# Altium PCB BuoyNode_PCB.PcbDoc
Units mm, origin at the board's own origin, x right, y up, seen from the top; angles counter-clockwise.
Board outline 136 x 134 mm, 2 copper layers (Top Layer, Bottom Layer), stack 1.671 mm thick; 22 components, 19 nets, 142 pads, 5 vias.
Unrouted connection lines stored in the file: 1.
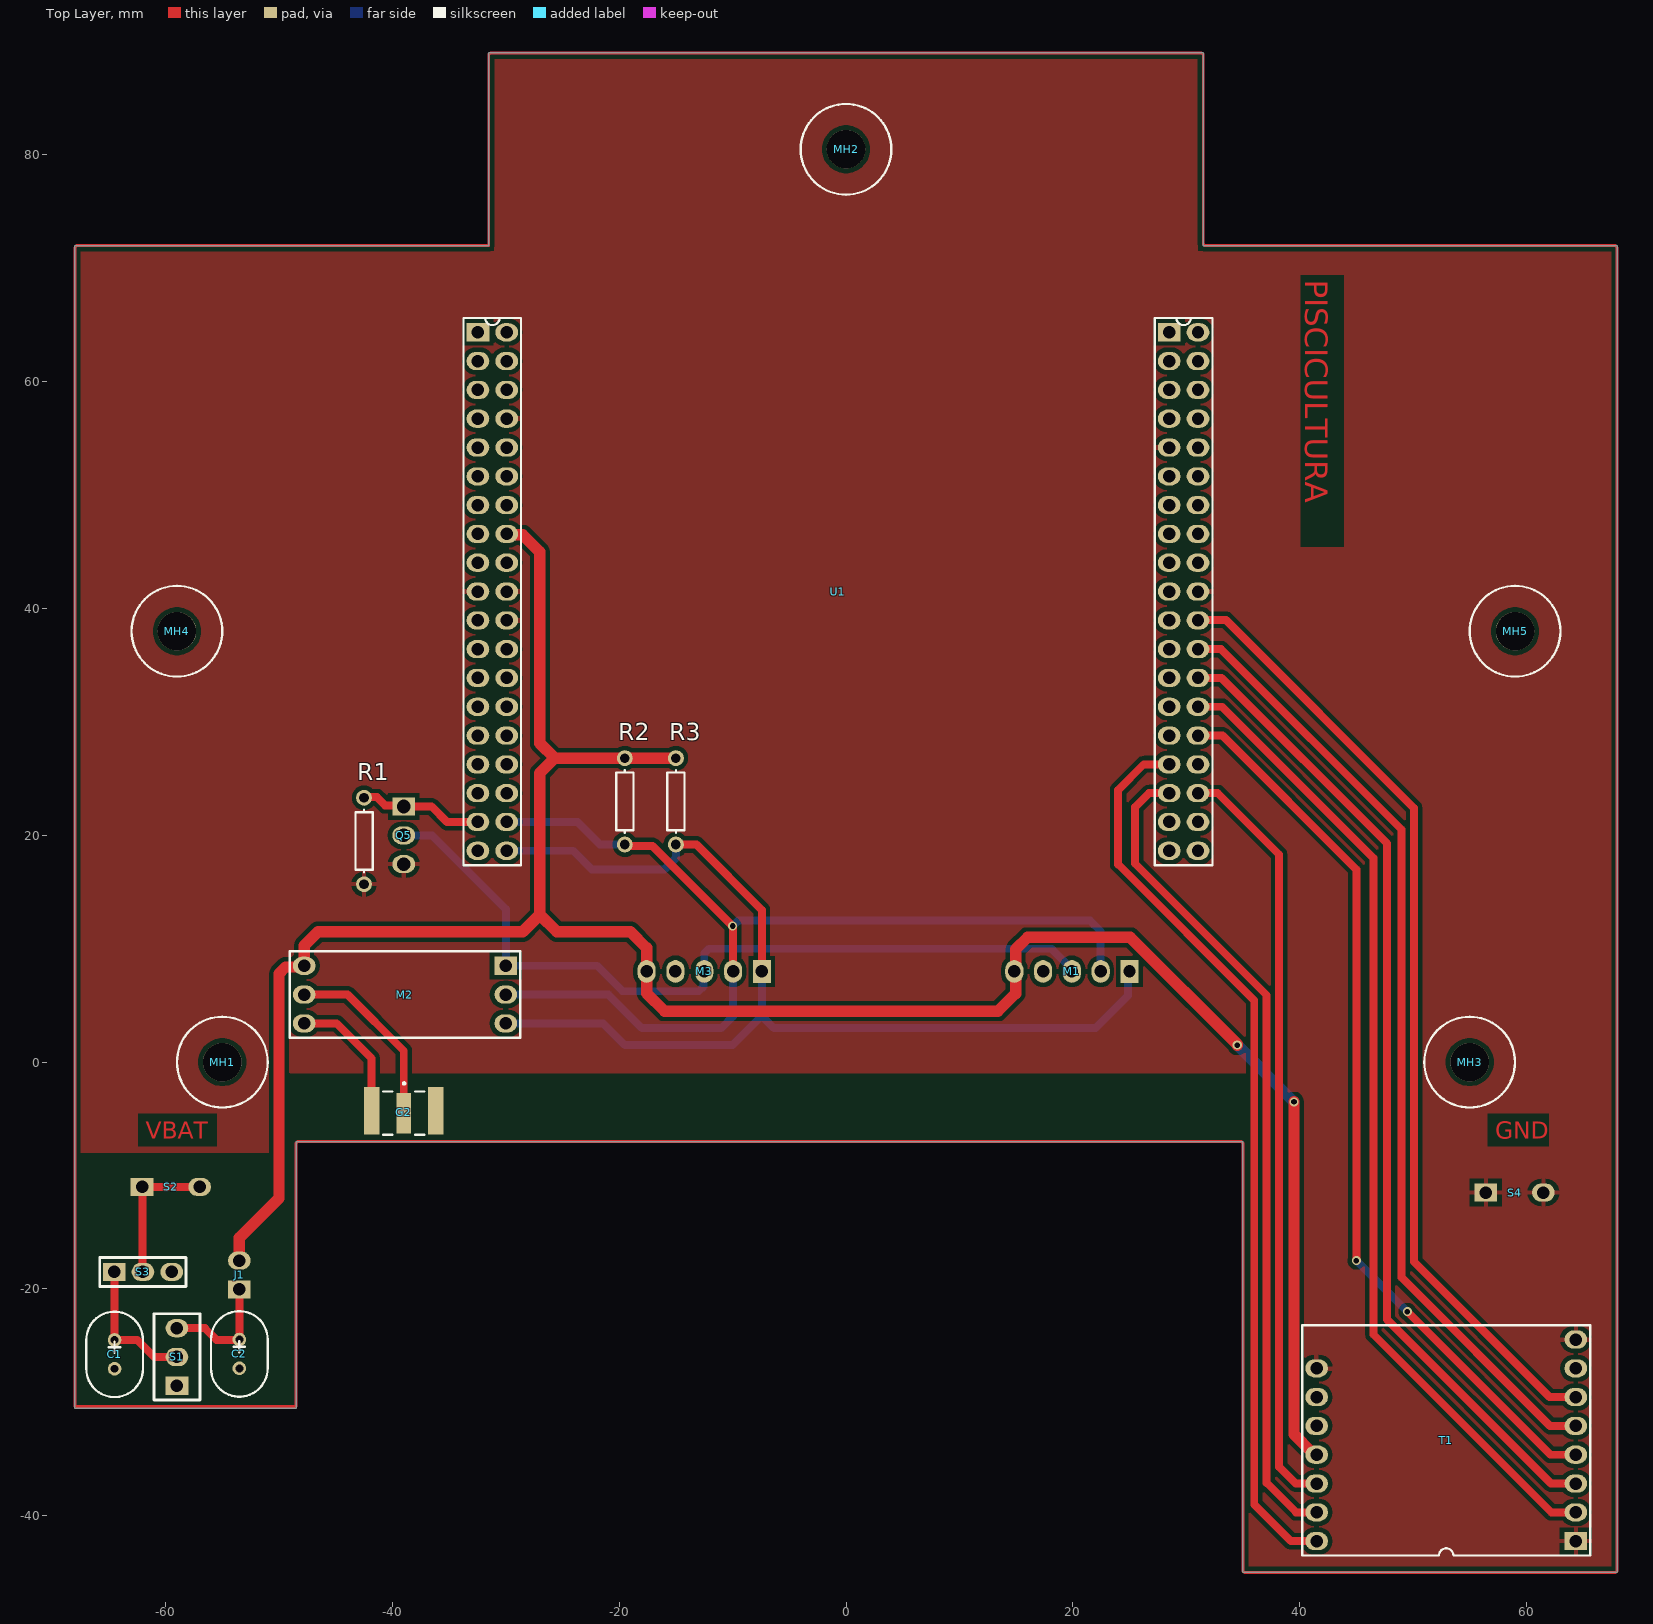
[diagram p0: Top Layer view]
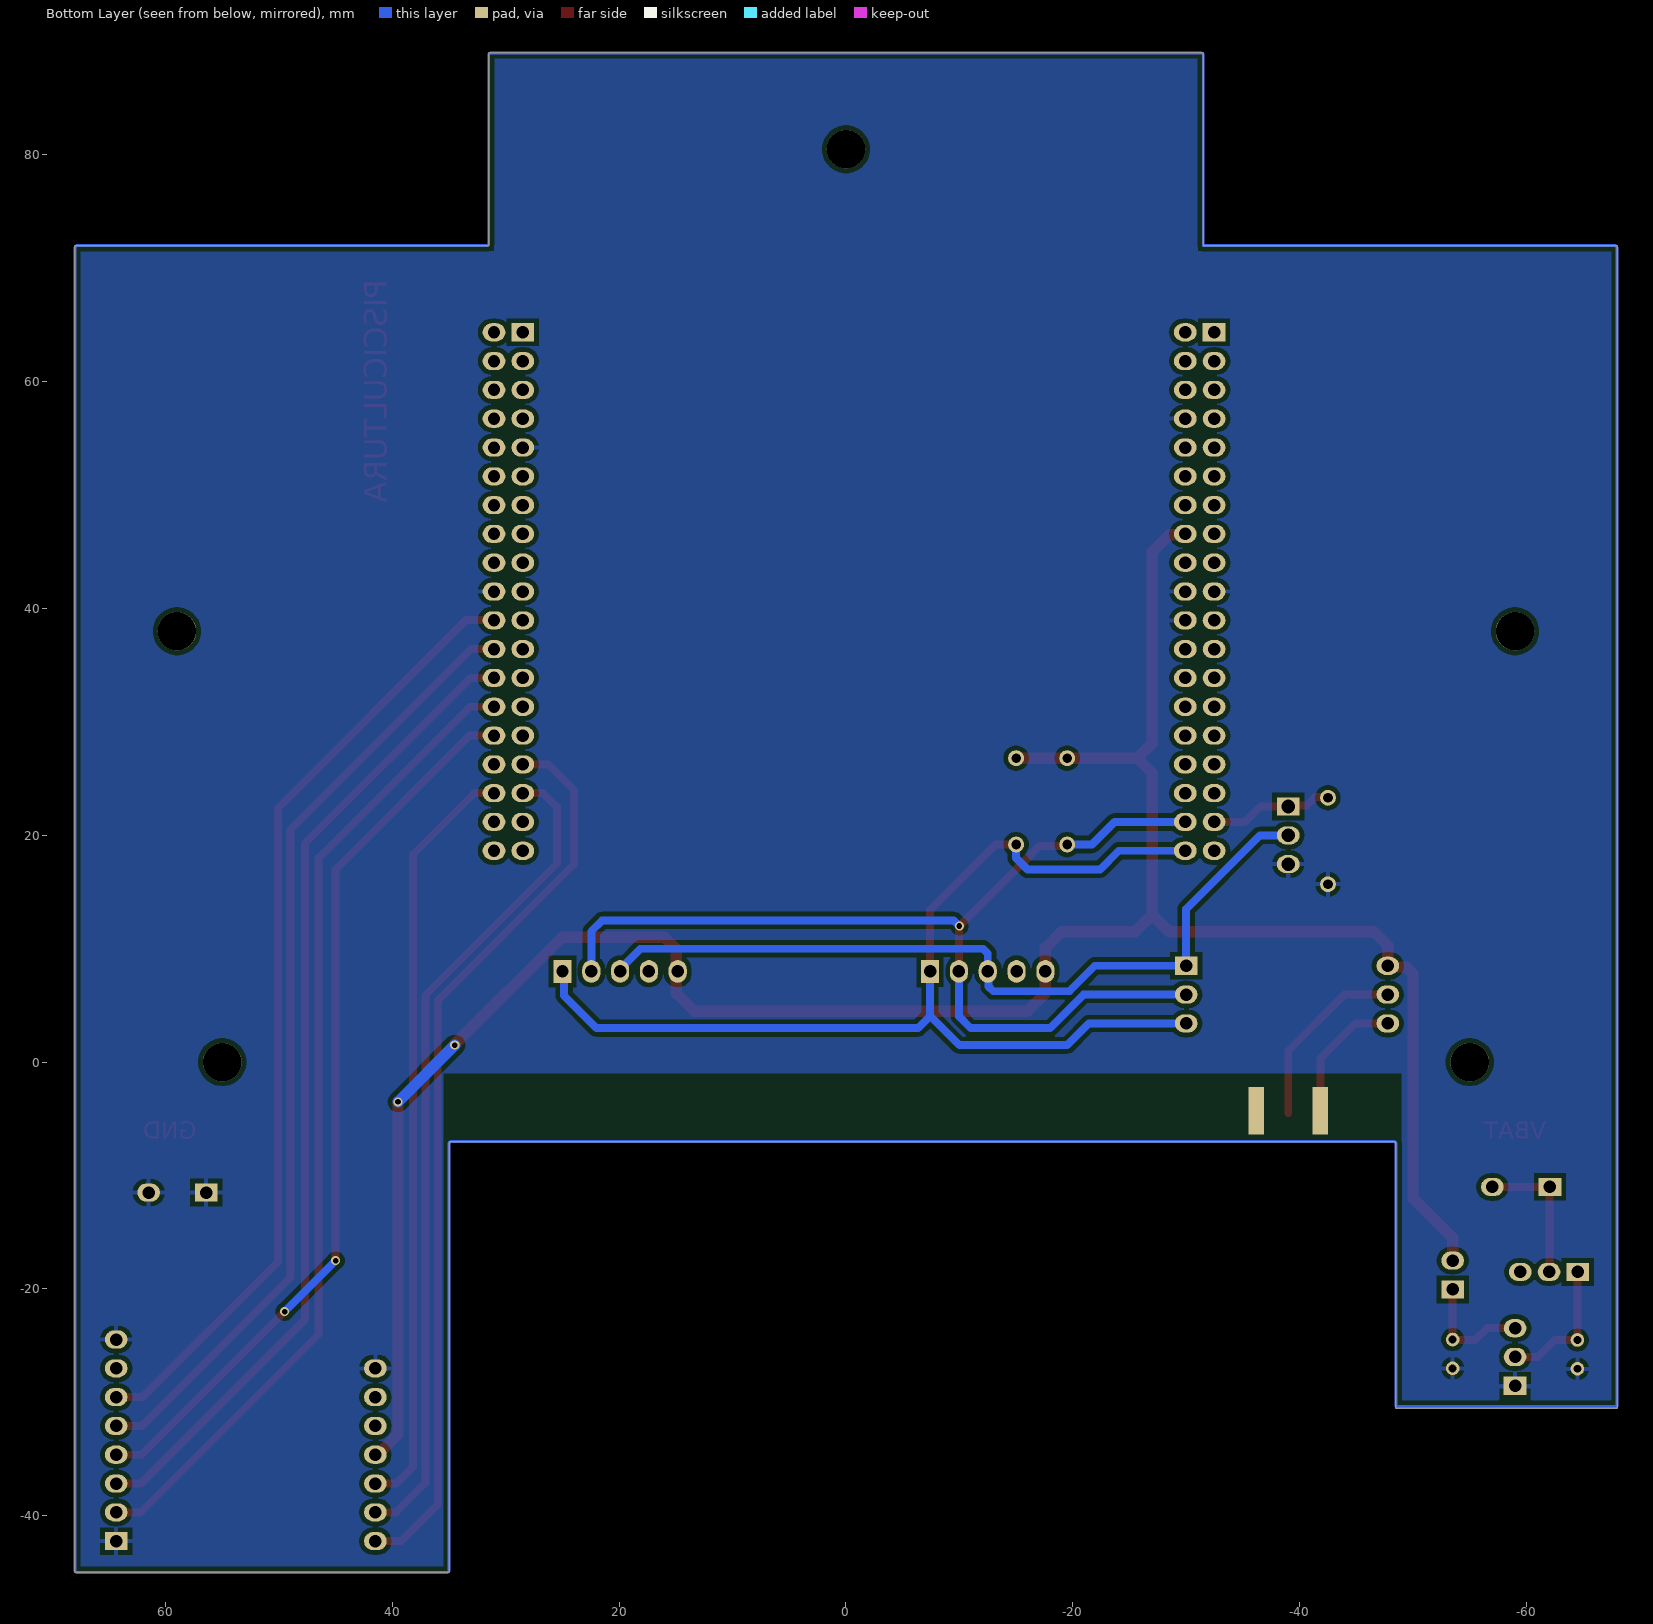
[diagram p1: Bottom Layer view, seen from below]

## Layer stack, top to bottom
Top Solder: solder mask 0.0102, Solder Resist, Dk 3.5
Top Layer: signal copper 0.0356
Dielectric 1: dielectric 1.6, FR-4, Dk 4.8
Bottom Layer: signal copper 0.0356
Bottom Solder: solder mask 0.0102, Solder Resist, Dk 3.5

## Board outline
-68,72 -31.5,72 -31.5,89 31.5,89 31.5,72 68,72 68,-45 35,-45 35,-7 -48.5,-7 -48.5,-30.5 -68,-30.5

## Design rules (kind name [scope] priority, off if disabled: settings)
Clearance [All] p1: gap=0.4 ignorepadtopadclearanceinfootprint=FALSE
ComponentClearance [All] p1: gap=0.2 collisioncheckmode=3 verticalgap=0.2 showdistances=FALSE
Height [All] p1: minheight=0 maxheight=50 prefheight=12.7
HoleSize [All] p1: absolutevalues=TRUE maxlimit=10 minlimit=0.2 maxpercent=80.000 minpercent=20.000
HoleToHoleClearance [All] p1: gap=0.3 allowstackedmicrovias=TRUE
MinimumSolderMaskSliver [All] p1: minsoldermaskwidth=0.1
PlaneClearance [All] p1: clearance=1
PlaneConnect [All] p1: planeconnectstyle=Relief reliefexpansion=0.6 reliefentries=4 reliefconductorwidth=0.4 reliefairgap=0.4
PolygonConnect [All] p1: connectstyle=Relief reliefconductorwidth=0.4 reliefentries=4 polygonreliefangle="90 Angle" airgapwidth=0.4
RoutingVias [All] p1: holewidth=0.5 width=0.8 viastyle="Through Hole" minholewidth=0.5 minwidth=0.8 maxholewidth=0.5 maxwidth=0.8
SilkToSilkClearance [All] p1: silktosilkclearance=0.1
SilkToSolderMaskClearance [IsPad] p1: minsilkscreentomaskgap=0.1 clearancetoexposedcopper=TRUE
SolderMaskExpansion [All] p1: expansion=0.1 istentingtop=FALSE
UnRoutedNet [All] p1 off:
Width "Width Power" [InNet('+*') or InNet('GND')] p1: maxlimit=1 minlimit=0.8 preferedwidth=1
Width [All] p2: maxlimit=1 minlimit=0.3 preferedwidth=0.7
20 further rules are at their usual default settings.

## Components (designator, comment, footprint, x,y, rotation, side; value= is the part's Value field where it differs from the comment)
C1 "1uF" C1UFTANTALUM -64.5,-27.04 r90 top
C2 "1uF" C1UFTANTALUM -53.5,-27 r90 top
G2 "Female SMA Connector" SmaFemaleConnectorEdgeMount -39,-4.5 r0 top
J1 "2PinMaleJumper" 2MALEJUMPER -53.5,-20.04 r180 top
M1 "Isolated pH Sensor" ATLASISOLATEDPHSENSOR 25,8 r270 top
M2 "EZO™ RTD Temperature Circuit" AtlasTemperatureSensor -30,8.5 r180 top
M3 "Isolated DO Sensor" ATLASISOLATEDDOSENSOR -7.42,8 r270 top
MH1 "MountingHole_3.4mmHole" MOUNTINGHOLE -55,0 r0 top
MH2 "MountingHole_3.4mmHole" MOUNTINGHOLE 0,80.5 r0 top
MH3 "MountingHole_3.4mmHole" MOUNTINGHOLE 55,0 r0 top
MH4 "MountingHole_3.4mmHole" MOUNTINGHOLE -59,38 r0 top
MH5 "MountingHole_3.4mmHole" MOUNTINGHOLE 59,38 r0 top
Q5 "IRLZ44NPBF" IRLZ44N -39,22.54 r0 top
R1 "Res1" AXIAL-0.3 -42.5,19.5 r90 top value=20K
R2 "Res1" AXIAL-0.3 -19.5,23 r90 top value=5K
R3 "Res1" AXIAL-0.3 -15,23 r90 top value=5K
S1 "MCP1700-3302E/TO" MCP1700 -59,-28.54 r180 top
S2 "2PositionScrewTerminal" 2POSITIONSCREWTERMINAL -62.08,-11 r90 top
S3 "ToggleSwitch" TOGGLESWITCH -64.54,-18.5 r90 top
S4 "2PositionScrewTerminal" 2POSITIONSCREWTERMINAL 56.42,-11.5 r90 top
T1 "RFM95W" RFM95WBREAKOUT 64.36,-42.24 r180 top
U1 "NUCLEO-L476RG" NUCLEOL476RG -32.46,64.36 r0 top

## Footprints (in the part's own frame and the unit in brackets; to place one, negate y for a bottom-side part, rotate by r counter-clockwise, add the part's x,y. Pads: shape width x height; smd on the part's side, far side on the other; paste and mask are expansions set on the pad)
2MALEJUMPER [mm]
  rect 2x1.6 hole 1.1: 1(0,0)
  oval 2x1.6 hole 1.1: 2(0,-2.54)
  body extent -1,-3.17 1,0.76, height 4.67
2POSITIONSCREWTERMINAL [mm]
  rect 1.6x2 hole 1.1: 1(0,0)
  oval 1.6x2 hole 1.1: 2(0,-5.08)
  body extent -4.14,-8.1 4.06,2.56, height 11
ATLASISOLATEDDOSENSOR [mm]
  rect 2x1.6 hole 1.1: 1(0,0)
  oval 2x1.6 hole 1.1: 2(0,-2.54) 3(0,-5.08) 4(0,-7.62) 5(0,-10.16)
  body extent -5,-20.83 46.54,11.17, height 17.3
ATLASISOLATEDPHSENSOR [mm]
  rect 2x1.6 hole 1.1: 1(0,0)
  oval 2x1.6 hole 1.1: 2(0,-2.54) 3(0,-5.08) 4(0,-7.62) 5(0,-10.16)
  body extent -5,-20.83 46.54,11.17, height 17.3
AtlasTemperatureSensor [mm]
  rect 2x1.6 hole 1.1: 1(0,0)
  oval 2x1.6 hole 1.1: 2(0,2.54) 3(0,5.08) 4(17.78,5.08) 5(17.78,2.54) 6(17.78,0)
  silkscreen extent -1.27,-1.27 19.05,6.35, body extent -1.25,-4.64 19.03,9.33, height 14.25
AXIAL-0.3 [mm] "Axial Device, Thru-Hole; 2 Leads; 0.3 in Pin Spacing"
  round 1.4 hole 0.85: 1(-3.81,0) 2(3.81,0)
  silkscreen extent -2.77,-0.76 2.77,0.76
C1UFTANTALUM [mm]
  round 1.2 hole 0.7: 1(0,0) 2(2.54,0)
  silkscreen extent -2.5,-2.5 5.04,2.5, body extent -0.98,-2.25 3.52,2.25, height 8.1
IRLZ44N [mm]
  rect 2x1.6 hole 1.2: 1(0,0)
  oval 2x1.6 hole 1.2: 2(0,-2.54) 3(0,-5.08)
  body extent -1.58,-7.65 2.82,2.57, height 19.3
MCP1700 [mm]
  rect 2x1.6 hole 1.1: 1(0,0)
  oval 2x1.6 hole 1.1: 2(0,-2.54) 3(0,-5.08)
  silkscreen extent -2.03,-6.35 2.03,1.27, body extent -1.9,-5.34 2.03,0.26, height 10.2
MOUNTINGHOLE [mm]
  round 3.4 hole 3.4 unplated: 1(0,0)
  silkscreen extent -4,-4 4,4
NUCLEOL476RG [mm]
  rect 2x1.6 hole 1.1: CN7_1(0,0) CN10_1(60.96,0)
  oval 2x1.6 hole 1.1: CN7_2(2.54,0) CN7_3(0,-2.54) CN7_4(2.54,-2.54) CN7_5(0,-5.08) CN7_6(2.54,-5.08) CN7_7(0,-7.62) CN7_8(2.54,-7.62) CN7_9(0,-10.16) CN7_10(2.54,-10.16) CN7_11(0,-12.7) CN7_12(2.54,-12.7) CN7_13(0,-15.24) CN7_14(2.54,-15.24) CN7_15(0,-17.78) CN7_16(2.54,-17.78) CN7_17(0,-20.32) CN7_18(2.54,-20.32) CN7_19(0,-22.86) CN7_20(2.54,-22.86) CN7_21(0,-25.4) CN7_22(2.54,-25.4) CN7_23(0,-27.94) CN7_24(2.54,-27.94) CN7_25(0,-30.48) CN7_26(2.54,-30.48) CN7_27(0,-33.02) CN7_28(2.54,-33.02) CN7_29(0,-35.56) CN7_30(2.54,-35.56) CN7_31(0,-38.1) CN7_32(2.54,-38.1) CN7_33(0,-40.64) CN7_34(2.54,-40.64) CN7_35(0,-43.18) CN7_36(2.54,-43.18) CN7_37(0,-45.72) CN7_38(2.54,-45.72) CN10_2(63.5,0) CN10_3(60.96,-2.54) CN10_4(63.5,-2.54) CN10_5(60.96,-5.08) CN10_6(63.5,-5.08) CN10_7(60.96,-7.62) CN10_8(63.5,-7.62) CN10_9(60.96,-10.16) CN10_10(63.5,-10.16) CN10_11(60.96,-12.7) CN10_12(63.5,-12.7) CN10_13(60.96,-15.24) CN10_14(63.5,-15.24) CN10_15(60.96,-17.78) CN10_16(63.5,-17.78) CN10_17(60.96,-20.32) CN10_18(63.5,-20.32) CN10_19(60.96,-22.86) CN10_20(63.5,-22.86) CN10_21(60.96,-25.4) CN10_22(63.5,-25.4) CN10_23(60.96,-27.94) CN10_24(63.5,-27.94) CN10_25(60.96,-30.48) CN10_26(63.5,-30.48) CN10_27(60.96,-33.02) CN10_28(63.5,-33.02) CN10_29(60.96,-35.56) CN10_30(63.5,-35.56) CN10_31(60.96,-38.1) CN10_32(63.5,-38.1) CN10_33(60.96,-40.64) CN10_34(63.5,-40.64) CN10_35(60.96,-43.18) CN10_36(63.5,-43.18) CN10_37(60.96,-45.72) CN10_38(63.5,-45.72)
  silkscreen extent -1.27,-46.99 64.77,1.27, body extent -3.25,-50.9 66.75,6.6, height 22.49
RFM95WBREAKOUT [mm]
  rect 2x1.6 hole 1.1: 1(0,0)
  oval 2x1.6 hole 1.1: 2(0,-2.54) 3(0,-5.08) 4(0,-7.62) 5(0,-10.16) 6(0,-12.7) 7(0,-15.24) 8(0,-17.78) 10(22.86,-15.24) 11(22.86,-12.7) 12(22.86,-10.16) 13(22.86,-7.62) 14(22.86,-5.08) 15(22.86,-2.54) 16(22.86,0)
  silkscreen extent -1.27,-19.05 24.13,1.27, body extent -3.56,-57.46 27.44,2.03, height 18.96
SmaFemaleConnectorEdgeMount [mm]
  rect 1.27x3.6 smd: 1(0,0)
  rect 1.35x4.2 smd: 3_1(2.825,0.2) G3(-2.825,0.2)
  rect 1.35x4.2 smd far side: G1(2.825,0.2) G2(-2.825,0.2)
  silkscreen extent -1.8,-1.9 1.8,2.72, body extent -3.17,-11.42 3.17,1.91, height 3.17
TOGGLESWITCH [mm]
  rect 1.6x2 hole 1.1: 1(0,0)
  oval 1.6x2 hole 1.1: 2(0,-2.54) 3(0,-5.08)
  silkscreen extent -1.27,-6.35 1.27,1.27

## Part data
C1 C2: library part T350A105K035AS7301, "CAP TANT 1UF 10% 35V RADIAL", Case/Package=Dipped, ESR (Equivalent Series Resistance)=8R, Leakage Current=500nA, Manufacturer=KEMET, Max Operating Temperature=125°C, Min Operating Temperature=-55°C, Supplier Part Number 1=399-18004-1-ND, Tolerance=10%, Voltage Rating=35V, Capacitance=1uF, Category="Tantalum Capacitors", ComponentLink1Description=http://www.mouser.com/ds/2/212/F3100-1140474.pdf?src-supplier=Mouser, ComponentLink1URL=http://www.mouser.com/ds/2/212/F3100-1140474.pdf?src-supplier=Mouser, ComponentLink2Description=http://components.arrow.com/part/dataview/0323_00403401?src-supplier=Arrow+Europe, ComponentLink2URL=http://components.arrow.com/part/dataview/0323_00403401?src-supplier=Arrow+Europe, ComponentLink3Description=https://api.kemet.com/component-edge/download/datasheet/T350A105K035AS7301.pdf?src-supplier=Digi-Key, ComponentLink3URL=https://api.kemet.com/component-edge/download/datasheet/T350A105K035AS7301.pdf?src-supplier=Digi-Key, Construction=RADIAL, Diameter=4.5mm, Dissipation Factor=3%, Height=7.1mm, Lead Diameter=0.5mm, Lead Pitch=2.54mm, Manufacturer Part Number=T350A105K035AS7301, Packaging="Tape and Reel", Polarity=Polar, Pricing 1="1=1.46000, 10=1.15200, 50=0.99820, 100=0.86380, 500=0.65264 (USD)", RoHS=No, RoHS Compliant=No, Series=T35X, Stock 1=8816, Supplier 1=Digi-Key, Termination=Radial, Voltage Rating (DC)=35V
M1: library part "Atlas Isolated pH Sensor"
M3: library part "Atlas Isolated DO Sensor"
MH1 MH2 MH3 MH4 MH5: library part MountingHole
Q5: "INFINEON - IRLZ44NPBF - MOSFET, N, 55V, 41A, TO-220", Case/Package=TO-220AB, Continuous Drain Current (ID)=47A, Drain to Source Breakdown Voltage=55V, Drain to Source Resistance=35mR, Drain-source On Resistance-Max=22mR, Gate to Source Voltage (Vgs)=16V, Input Capacitance=1.7nF, Manufacturer="International Rectifier", Max Operating Temperature=175°C, Max Power Dissipation=110W, Min Operating Temperature=-55°C, Package Quantity=50, Supplier Part Number 1=38K3030, Category=MOSFETs, ComponentLink1Description=https://datasheet.ciiva.com/19479/1563905-19479714.pdf?src-supplier=Jameco, ComponentLink1URL=https://datasheet.ciiva.com/19479/1563905-19479714.pdf?src-supplier=Jameco, ComponentLink2Description=https://datasheet.ciiva.com/7459/irlz44n-7459241.pdf?src-supplier=Newark, ComponentLink2URL=https://datasheet.ciiva.com/7459/irlz44n-7459241.pdf?src-supplier=Newark, ComponentLink3Description=https://datasheet.ciiva.com/16427/irlz44npbf-16427676.pdf?src-supplier=Future+Electronics, ComponentLink3URL=https://datasheet.ciiva.com/16427/irlz44npbf-16427676.pdf?src-supplier=Future+Electronics, ComponentLink4Description=https://datasheet.ciiva.com/7835/irlz44npbf-7835815.pdf?src-supplier=Element14, ComponentLink4URL=https://datasheet.ciiva.com/7835/irlz44npbf-7835815.pdf?src-supplier=Element14, ComponentLink5Description=https://datasheet.ciiva.com/939/irlz44npbf-939116.pdf?src-supplier=Digi-Key, ComponentLink5URL=https://datasheet.ciiva.com/939/irlz44npbf-939116.pdf?src-supplier=Digi-Key, Current Rating=47A, Drain to Source Voltage (Vdss)=55V, Dual Supply Voltage=55V, Element Configuration=Single, Fall Time=15ns, Height=8.77mm, Lead Free="Lead Free", Lead Pitch=2.54mm, Length=10.54mm, Manufacturer Part Number=IRLZ44NPBF, Mount="Through Hole", Nominal Vgs=2V, Number of Elements=1, Number of Pins=3, On-State Resistance=22mR, Packaging=Rail/Tube, Power Dissipation=110W, Radiation Hardening=No, Rds On Max=22mR, REACH SVHC="No SVHC", Recovery Time=120ns, Rise Time=84ns, RoHS=Yes, RoHS Compliant=Yes, Series=HEXFET®, Supplier 1=Newark, Turn-Off Delay Time=26ns, Turn-On Delay Time=11ns, Voltage Rating (DC)=55V, Width=4.69mm
R1 R2 R3: "Resistor", LatestRevisionDate=17-Jul-2002, LatestRevisionNote="Re-released for DXP Platform.", PackageDescription="Axial Device, Thru-Hole; 2 Leads; 0.3 in Pin Spacing", PackageReference=AXIAL-0.3, Published=8-Jun-2000, Publisher="Altium Limited"
S1: "LDO Regulator Pos 3.3V 0.25A 3-Pin TO-92 Bag", Case/Package=TO-92, Dropout Voltage=178mV, Input Bias Current=1.6uA, Manufacturer=Microchip, Max Input Voltage=6V, Max Operating Temperature=125°C, Max Output Current=250mA, Max Power Dissipation=644mW, Min Input Voltage=2.3V, Min Operating Temperature=-40°C, Min Output Voltage=3.3V, Output Voltage Accuracy=2%, Package Quantity=1000, Quiescent Current=4uA, Supplier Part Number 1=0403888, Accuracy=2%, Category="Voltage Regulators - Linear", ComponentLink1Description=https://datasheet.ciiva.com/15111/getdatasheetpartid-57068-15111255.pdf?src-supplier=Verical, ComponentLink1URL=https://datasheet.ciiva.com/15111/getdatasheetpartid-57068-15111255.pdf?src-supplier=Verical, ComponentLink2Description=https://datasheet.ciiva.com/2040/21826b-2040652.pdf?src-supplier=Digi-Key, ComponentLink2URL=https://datasheet.ciiva.com/2040/21826b-2040652.pdf?src-supplier=Digi-Key, ComponentLink3Description=https://datasheet.ciiva.com/7649/21826b-7649804.pdf?src-supplier=Element14, ComponentLink3URL=https://datasheet.ciiva.com/7649/21826b-7649804.pdf?src-supplier=Element14, ComponentLink4Description=https://datasheet.ciiva.com/8041/21826b-8041593.pdf?src-supplier=Element14, ComponentLink4URL=https://datasheet.ciiva.com/8041/21826b-8041593.pdf?src-supplier=Element14, ComponentLink5Description=https://datasheet.ciiva.com/17364/jp011779-17364271.pdf?src-supplier=Avnet+Europe, ComponentLink5URL=https://datasheet.ciiva.com/17364/jp011779-17364271.pdf?src-supplier=Avnet+Europe, ComponentLink6Description=https://datasheet.ciiva.com/16380/filehandler-aspxddocname-en011779-16380149.pdf?src-supplier=Future+Electronics, ComponentLink6URL=https://datasheet.ciiva.com/16380/filehandler-aspxddocname-en011779-16380149.pdf?src-supplier=Future+Electronics, ComponentLink7Description=https://datasheet.ciiva.com/14562/70045391-14562025.pdf?src-supplier=Allied+Electronics, ComponentLink7URL=https://datasheet.ciiva.com/14562/70045391-14562025.pdf?src-supplier=Allied+Electronics, Height=0.21inch, Lead Free="Lead Free", Length=0.205inch, Manufacturer Part Number=MCP1700-3302E/TO, Mount="Through Hole", Nominal Output Voltage=3.3V, Number of Outputs=1, Number of Pins=3, Output Current=250mA, Output Type=Fixed, Output Voltage=3.3V, Packaging=Bag, Polarity=Positive, Power Dissipation=644mW, Pricing 1="10=0.41600, 30=0.39600, 100=0.36500 (USD)", Radiation Hardening=No, REACH SVHC="No SVHC", RoHS=Yes, RoHS Compliant=Yes, Stock 1=1, Supplier 1=RSComponents, Width=0.165inch
S2 S4: "PHOENIX CONTACT - 1725656 - Wire-To-Board Terminal Block, 2.54 mm, 2 Ways, 26 AWG, 20 AWG, 0.5 mm², Screw", Color=Green, Current=6A, Flammability Rating="UL94 V-0", Manufacturer="Phoenix Contact", Manufacturer Part Number=1725656, Max Supply Voltage=63V, Package Quantity=50, Supplier Part Number 1=277-1273-ND, Voltage=125V, Approvals=UL,CSA,cULus,EAC, Category="Terminal Blocks", ComponentLink1Description=https://datasheet.ciiva.com/823/1725656-823793.pdf?src-supplier=Digi-Key, ComponentLink1URL=https://datasheet.ciiva.com/823/1725656-823793.pdf?src-supplier=Digi-Key, ComponentLink2Description=https://datasheet.ciiva.com/1120/319957-1120510.pdf?src-supplier=Farnell, ComponentLink2URL=https://datasheet.ciiva.com/1120/319957-1120510.pdf?src-supplier=Farnell, ComponentLink3Description=https://datasheet.ciiva.com/16071/1725656-16071846.pdf?src-supplier=Onlinecomponents.com, ComponentLink3URL=https://datasheet.ciiva.com/16071/1725656-16071846.pdf?src-supplier=Onlinecomponents.com, ComponentLink4Description=https://datasheet.ciiva.com/15169/getdatasheetpartid-199323-15169849.pdf?src-supplier=Verical, ComponentLink4URL=https://datasheet.ciiva.com/15169/getdatasheetpartid-199323-15169849.pdf?src-supplier=Verical, ComponentLink5Description=https://datasheet.ciiva.com/26340/788052-da-01-en-100ntklemme-1725656-250-st-26340907.pdf?src-supplier=Conrad, ComponentLink5URL=https://datasheet.ciiva.com/26340/788052-da-01-en-100ntklemme-1725656-250-st-26340907.pdf?src-supplier=Conrad, Connector Type="Screw,PCB,Terminal Block", Contact Material=Tin, Current Rating=6A, Depth=6.2mm, Height=6.2mm, Housing Color=Green, Housing Material=Polyamide, Insulation Material=Nylon, Lead Free="Lead Free", Length=5.54mm, Max Current Rating=6A, Mount="Through Hole", Number of Circuits=2, Number of Contacts=2, Number of Levels=1, Number of Pins=2, Number of Poles=2, Number of Positions=2, Number of Positions Per Level=2, Number of Rows=1, Orientation=Straight, Packaging=Bulk, Pitch=2.54mm, Pricing 1="1=1.73000, 10=1.65600, 50=1.58400, 100=1.54080, 250=1.44000, 500=1.32480, 1000=1.22400, 2500=1.16640, 5000=1.10880 (USD)", Radiation Hardening=No, REACH SVHC="No SVHC", RoHS=Yes, RoHS Compliant=Yes, Series=MPT, Stock 1=9014, Stripping Length=4.5mm, Supplier 1=Digi-Key, Termination=Solder, Voltage Rating=125V, Weight=0.022575oz, Width=12mm, Wire Gauge (Max)=26AWG, Wire Gauge (Min)=20AWG, Wire/Cable Gauge=26AWG
T1: "RFM95W Breakout Board", Color=White, Contact Resistance=10mR, Current Rating=4A, Flammability Rating="UL94 V-0", Housing Color=Black, Insulation Resistance=50GR, Manufacturer=Molex, Manufacturer Part Number=22-10-2061, Max Operating Temperature=75°C, Min Operating Temperature=0°C, Package Quantity=10, Supplier Part Number 1=23-0022102081-ND, Voltage Rating=250V, Category="Headers and Wire Housings", ComponentLink1Description=https://datasheet.ciiva.com/711/022032041-sd-711929.pdf?src-supplier=Digi-Key, ComponentLink1URL=https://datasheet.ciiva.com/711/022032041-sd-711929.pdf?src-supplier=Digi-Key, ComponentLink2Description=https://datasheet.ciiva.com/5158/0022102061-pcb-headers-158488-5158499.pdf?src-supplier=Mouser, ComponentLink2URL=https://datasheet.ciiva.com/5158/0022102061-pcb-headers-158488-5158499.pdf?src-supplier=Mouser, ComponentLink3Description=https://datasheet.ciiva.com/10086/0022102061-pcb-headers-10086323.pdf?src-supplier=Avnet, ComponentLink3URL=https://datasheet.ciiva.com/10086/0022102061-pcb-headers-10086323.pdf?src-supplier=Avnet, ComponentLink4Description=https://datasheet.ciiva.com/19461/1965971-19461525.pdf?src-supplier=Jameco, ComponentLink4URL=https://datasheet.ciiva.com/19461/1965971-19461525.pdf?src-supplier=Jameco, ComponentLink5Description=https://datasheet.ciiva.com/30196/0022102061-pcb-headers-30196683.pdf?src-supplier=Onlinecomponents.com, ComponentLink5URL=https://datasheet.ciiva.com/30196/0022102061-pcb-headers-30196683.pdf?src-supplier=Onlinecomponents.com, ComponentLink6Description=https://datasheet.ciiva.com/16727/0022102061-pcb-headers-16727098.pdf?src-supplier=Avnet+Europe, ComponentLink6URL=https://datasheet.ciiva.com/16727/0022102061-pcb-headers-16727098.pdf?src-supplier=Avnet+Europe, Connector Type="Male Pin", Contact Material=Brass, Contact Mating Length=0.295inch, Contact Plating=Gold,Copper,Tin, Contact Type="Male Pin", Depth=9.02mm, Gender=Male, Glow Wire Compliant=Non-compliant, Halogen Free="Low Halogen", Height=14.68mm, Housing Material=Nylon, Length=95mm, Mount="Through Hole", Number of Circuits=6, Number of Contacts=6, Number of Positions=6, Number of Rows=1, Orientation=Straight, Packaging=Bulk, Pitch=2.54mm, Pricing 1="1=1.33000, 10=1.10400, 100=0.92000, 1000=0.73600, 5000=0.64400, 10000=0.61180 (USD)", Radiation Hardening=No, REACH SVHC=Unknown, RoHS=Yes, RoHS Compliant=Yes, Series="KK® 4030", Stock 1=3643, Supplier 1=Digi-Key, Termination=Solder, Voltage Rating (DC)=250V
U1: "16/32-BITS MICROS", Manufacturer=STMicroelectronics, Supplier Part Number 1=497-15881-ND, Category="Embedded Processors and Controllers", ComponentLink1Description=http://www.farnell.com/datasheets/2308719.pdf?src-supplier=Farnell, ComponentLink1URL=http://www.farnell.com/datasheets/2308719.pdf?src-supplier=Farnell, ComponentLink2Description=http://www.st.com/content/ccc/resource/technical/document/datasheet/c5/ed/2f/60/aa/79/42/0b/DM00108832.pdf/files/DM00108832.pdf/jcr:content/translations/en.DM00108832.pdf?src-supplier=Digi-Key, ComponentLink2URL=http://www.st.com/content/ccc/resource/technical/document/datasheet/c5/ed/2f/60/aa/79/42/0b/DM00108832.pdf/files/DM00108832.pdf/jcr:content/translations/en.DM00108832.pdf?src-supplier=Digi-Key, ComponentLink3Description=http://www.farnell.com/datasheets/1947285.pdf?src-supplier=Element14, ComponentLink3URL=http://www.farnell.com/datasheets/1947285.pdf?src-supplier=Element14, Core Architecture=ARM, Evaluation Kit=Yes, Lead Free="Lead Free", Manufacturer Part Number=NUCLEO-L476RG, Number of Bits=32, Pricing 1="1=14.90000 (USD)", REACH SVHC="No SVHC", RoHS=Yes, Stock 1=10, Supplier 1=Digi-Key

## Via types
v1: diameter 0.8, hole 0.5, Top Layer to Bottom Layer, 5 vias

## Nets (pads, with @x,y where several pads share a name; then routed paths per layer and width w, separated by ;. In a path a pad name is that pad's centre, name@x,y a point inside that pad or via, vN(x,y) a via of type N, cw(c..) or ccw(c..) an arc to the next point about the centre after c; other vN are vias at no path point)
+3.3: J1.2 M1.5 M2.6 M3.5 R2.2 R3.2 T1.13 U1.CN7_16 | length 215.9
  Top Layer w1: J1.2 -53.5,-15.5 -50,-12 -50,7.799 -49.414,8.385 -47.895,8.385 M2.6 -47.78,10.28 -46.56,11.5 -28.5,11.5 -27,13 ; U1.CN7_16 -29.84,46.5 -28.5,46.5 -27,45 -27,28.12 -25.69,26.81 ; R3.2 R2.2 -25.69,26.81 ; v1(34.5,1.5) 34.5,1.573 25.073,11 16,11 14.955,9.955 14.955,8.115 M1.5 14.955,7.885 14.955,6.045 13.41,4.5 -16,4.5 -17.58,6.08 M3.5 -17.58,10.08 -19,11.5 -25.5,11.5 -27,13 ; v1(39.5,-3.5) 39.5,-32.82 41.104,-34.424 41.304,-34.424 T1.13 ; -27,13 -27,25.5 -25.69,26.81
  Bottom Layer w1: v1(34.5,1.5) v1(39.5,-3.5)
DIO0: T1.14 U1.CN10_34 | length 67.3
  Top Layer w0.7: U1.CN10_34 32.78,23.72 38.2,18.3 38.2,-35.7 39.66,-37.16 T1.14
DIO1: T1.15 U1.CN10_33 | length 73.4
  Top Layer w0.7: U1.CN10_33 26.72,23.72 25.5,22.5 25.5,17.5 37.1,5.9 37.1,-37.1 39.7,-39.7 T1.15
DIO2: T1.16 U1.CN10_31 | length 80.2
  Top Layer w0.7: U1.CN10_31 26.26,26.26 24,24 24,17.444 36,5.444 36,-39 39.24,-42.24 T1.16
GND: C1.1 C2.1 Q5.3 R1.1 S1.1 S4.1 S4.2 T1.1 T1.8 T1.10 U1.CN7_8 U1.CN7_19 U1.CN7_20 U1.CN7_22 U1.CN10_9 U1.CN10_20
GND_SENSORS: M1.3 M2.1 M3.3 Q5.2 | length 71.9
  Top Layer w0.7: M3.3@-12.5,7.8 M3.3
  Bottom Layer w0.7: Q5.2 -36.5,20 -30,13.5 M2.1 -21.944,8.5 -19.694,6.25 -12.986,6.25 -12.576,6.66 -12.576,7.924 M3.3 -12.5,9.59 -12.09,10 18.12,10 19.92,8.2 M1.3
GND_TEMP_PRB: G2.G1 G2.G3 M2.4 | length 11.9
  Top Layer w0.7: M2.4 -44.92,3.42 -41.825,0.325 G2.G3
I2C_SCL: M1.1 M2.3 M3.1 R3.1 U1.CN7_38 | length 97.2
  Top Layer w0.7: R3.1 -13.19,19.19 -7.42,13.42 M3.1 M3.1@-7.5,8.08
  Bottom Layer w0.7: M2.3 -21.42,3.42 -19.5,1.5 -10,1.5 -7.42,4.08 ; U1.CN7_38 -24.052,18.64 -22.412,17 -16,17 -15,18 R3.1 ; M3.1 -7.42,4.08 ; M1.1 24.86,7.86 24.86,5.86 22,3 -6.34,3 -7.42,4.08
I2C_SDA: M1.2 M2.2 M3.2 R2.1 U1.CN7_36 | length 90.2
  Top Layer w0.7: R2.1 -19.366,19.056 -17.056,19.056 v1(-10,12) -10,11.973 -9.96,11.933 M3.2
  Bottom Layer w0.7: M2.2 -20.96,5.96 -18,3 -11,3 -9.96,4.04 M3.2 M3.2@-9.788,8.172 ; U1.CN7_36 -23.68,21.18 -21.69,19.19 R2.1 ; v1(-10,12) -9.5,12.5 21.5,12.5 22.46,11.54 M1.2
NetC2_2: C2.2 J1.1 S1.3 | length 10.4
  Top Layer w0.7: S1.3 -56.54,-23.46 -55.5,-24.5 -53.54,-24.5 C2.2 J1.1
RFM95_MISO: T1.2 U1.CN10_28 | length 87.3
  Top Layer w0.7: U1.CN10_28 33.16,31.34 46.5,18 46.5,-24 62.2,-39.7 T1.2
RFM95_MOSI: T1.3 U1.CN10_26 | length 87.3
  Top Layer w0.7: U1.CN10_26 33.12,33.88 47.7,19.3 47.7,-22.7 62.16,-37.16 T1.3
RFM95_NSS: T1.5 U1.CN10_24 | length 84.8
  Top Layer w0.7: U1.CN10_24 33.08,36.42 49,20.5 49,-19 62.08,-32.08 T1.5
RFM95_RESET: T1.6 U1.CN10_22 | length 85.2
  Top Layer w0.7: U1.CN10_22 31.08,39 33.5,39 50.1,22.4 50.1,-17.6 62.04,-29.54 T1.6
RFM95_SCK: T1.4 U1.CN10_30 | length 79.8
  Top Layer w0.7: U1.CN10_30 33.2,28.8 45,17 v1(45,-17.5) ; v1(49.5,-22) 62.12,-34.62 T1.4
  Bottom Layer w0.7: v1(45,-17.5) v1(49.5,-22)
SENSORS_PWR: Q5.1 R1.2 U1.CN7_35 | length 11
  Top Layer w0.7: R1.2 -42.442,23.368 -41.368,23.368 -40.64,22.64 -39.1,22.64 Q5.1 -36.54,22.54 -35.18,21.18 U1.CN7_35
TEMP_PRB: G2.1 M2.5 | length 16.3
  Top Layer w0.7: M2.5 -43.96,5.96 -39,1 G2.1
VBAT: S2.1 S2.2 S3.2 | length 12.6
  Top Layer w0.7: S3.2 -62.04,-18.46 -62.04,-11.04 S2.1 S2.2
VIN: C1.2 S1.2 S3.1 | length 12.1
  Top Layer w0.7: S3.1 -64.52,-18.52 -64.52,-24.48 C1.2 -62.5,-24.5 -61,-26 S1.2
pads on no net: G2.3_1 G2.G2 M1.4 M3.4 MH1.1 MH2.1 MH3.1 MH4.1 MH5.1 S3.3 T1.7 T1.11 T1.12 U1.CN7_1 U1.CN7_2 U1.CN7_3 U1.CN7_4 U1.CN7_5 U1.CN7_6 U1.CN7_7 U1.CN7_9 U1.CN7_10 U1.CN7_11 U1.CN7_12 U1.CN7_13 U1.CN7_14 U1.CN7_15 U1.CN7_17 U1.CN7_18 U1.CN7_21 U1.CN7_23 U1.CN7_24 U1.CN7_25 U1.CN7_26 U1.CN7_27 U1.CN7_28 U1.CN7_29 U1.CN7_30 U1.CN7_31 U1.CN7_32 U1.CN7_33 U1.CN7_34 U1.CN7_37 U1.CN10_1 U1.CN10_2 U1.CN10_3 U1.CN10_4 U1.CN10_5 U1.CN10_6 U1.CN10_7 U1.CN10_8 U1.CN10_10 U1.CN10_11 U1.CN10_12 U1.CN10_13 U1.CN10_14 U1.CN10_15 U1.CN10_16 U1.CN10_17 U1.CN10_18 U1.CN10_19 U1.CN10_21 U1.CN10_23 U1.CN10_25 U1.CN10_27 U1.CN10_29 U1.CN10_32 U1.CN10_35 U1.CN10_36 U1.CN10_37 U1.CN10_38
copper on no net: | length 1171.8
  Top Layer w0.254: -48.507,-30.358 -68,-30.358 -68,71.851 -67.851,72 -31.5,72 -31.5,88.851 -31.351,89 31.351,89 31.5,88.851 31.5,72.149 31.649,72 67.851,72 68,71.851 68,-44.851 67.851,-45 35.149,-45 35,-44.851 35,-7.149 34.851,-7 -48.351,-7 -48.5,-7.149 -48.5,-30.351
  Bottom Layer w0.254: -48.507,-30.357 -68,-30.357 -68,71.853 -67.851,72.001 -31.5,72.001 -31.5,88.853 -31.351,89.001 31.351,89.001 31.5,88.853 31.5,72.15 31.649,72.001 67.851,72.001 68,71.853 68,-44.85 67.851,-44.999 35.149,-44.999 35,-44.85 35,-7.147 34.851,-6.999 -48.351,-6.999 -48.5,-7.147 -48.5,-30.35

## Polygon pours and split planes (outlines as drawn)
GND on Bottom Layer "GND_L02_P001" (solid, pour order 1): -67.5,71.5 -67.5,-30 -49,-30 -49,-1 35.5,-1 35.5,-44.5 67.5,-44.5 67.5,71.5 31,71.5 31,88.5 -31,88.5 -31,71.5
GND on Top Layer "GND_L01_P000" (solid, pour order 0): -67.5,71.5 -67.5,-8 -49,-8 -49,-1 35.5,-1 35.5,-44.5 67.5,-44.5 67.5,71.5 31,71.5 31,88.5 -31,88.5 -31,71.5

## Other copper
Top Layer:
  text "PISCICULTURA" at 40.5,69 h2 r270
  text "VBAT" at -61.746,-6.746 h1.52
  text "GND" at 57.254,-6.746 h1.52

## Text inside footprints (layer, text, board x,y; h text height)
G2: Mechanical 13 "PCB EDGE" at -34.696,-6.202 h0.61